# Altium PCB Archimajor.PcbDoc (part 1 of 13) (continued)
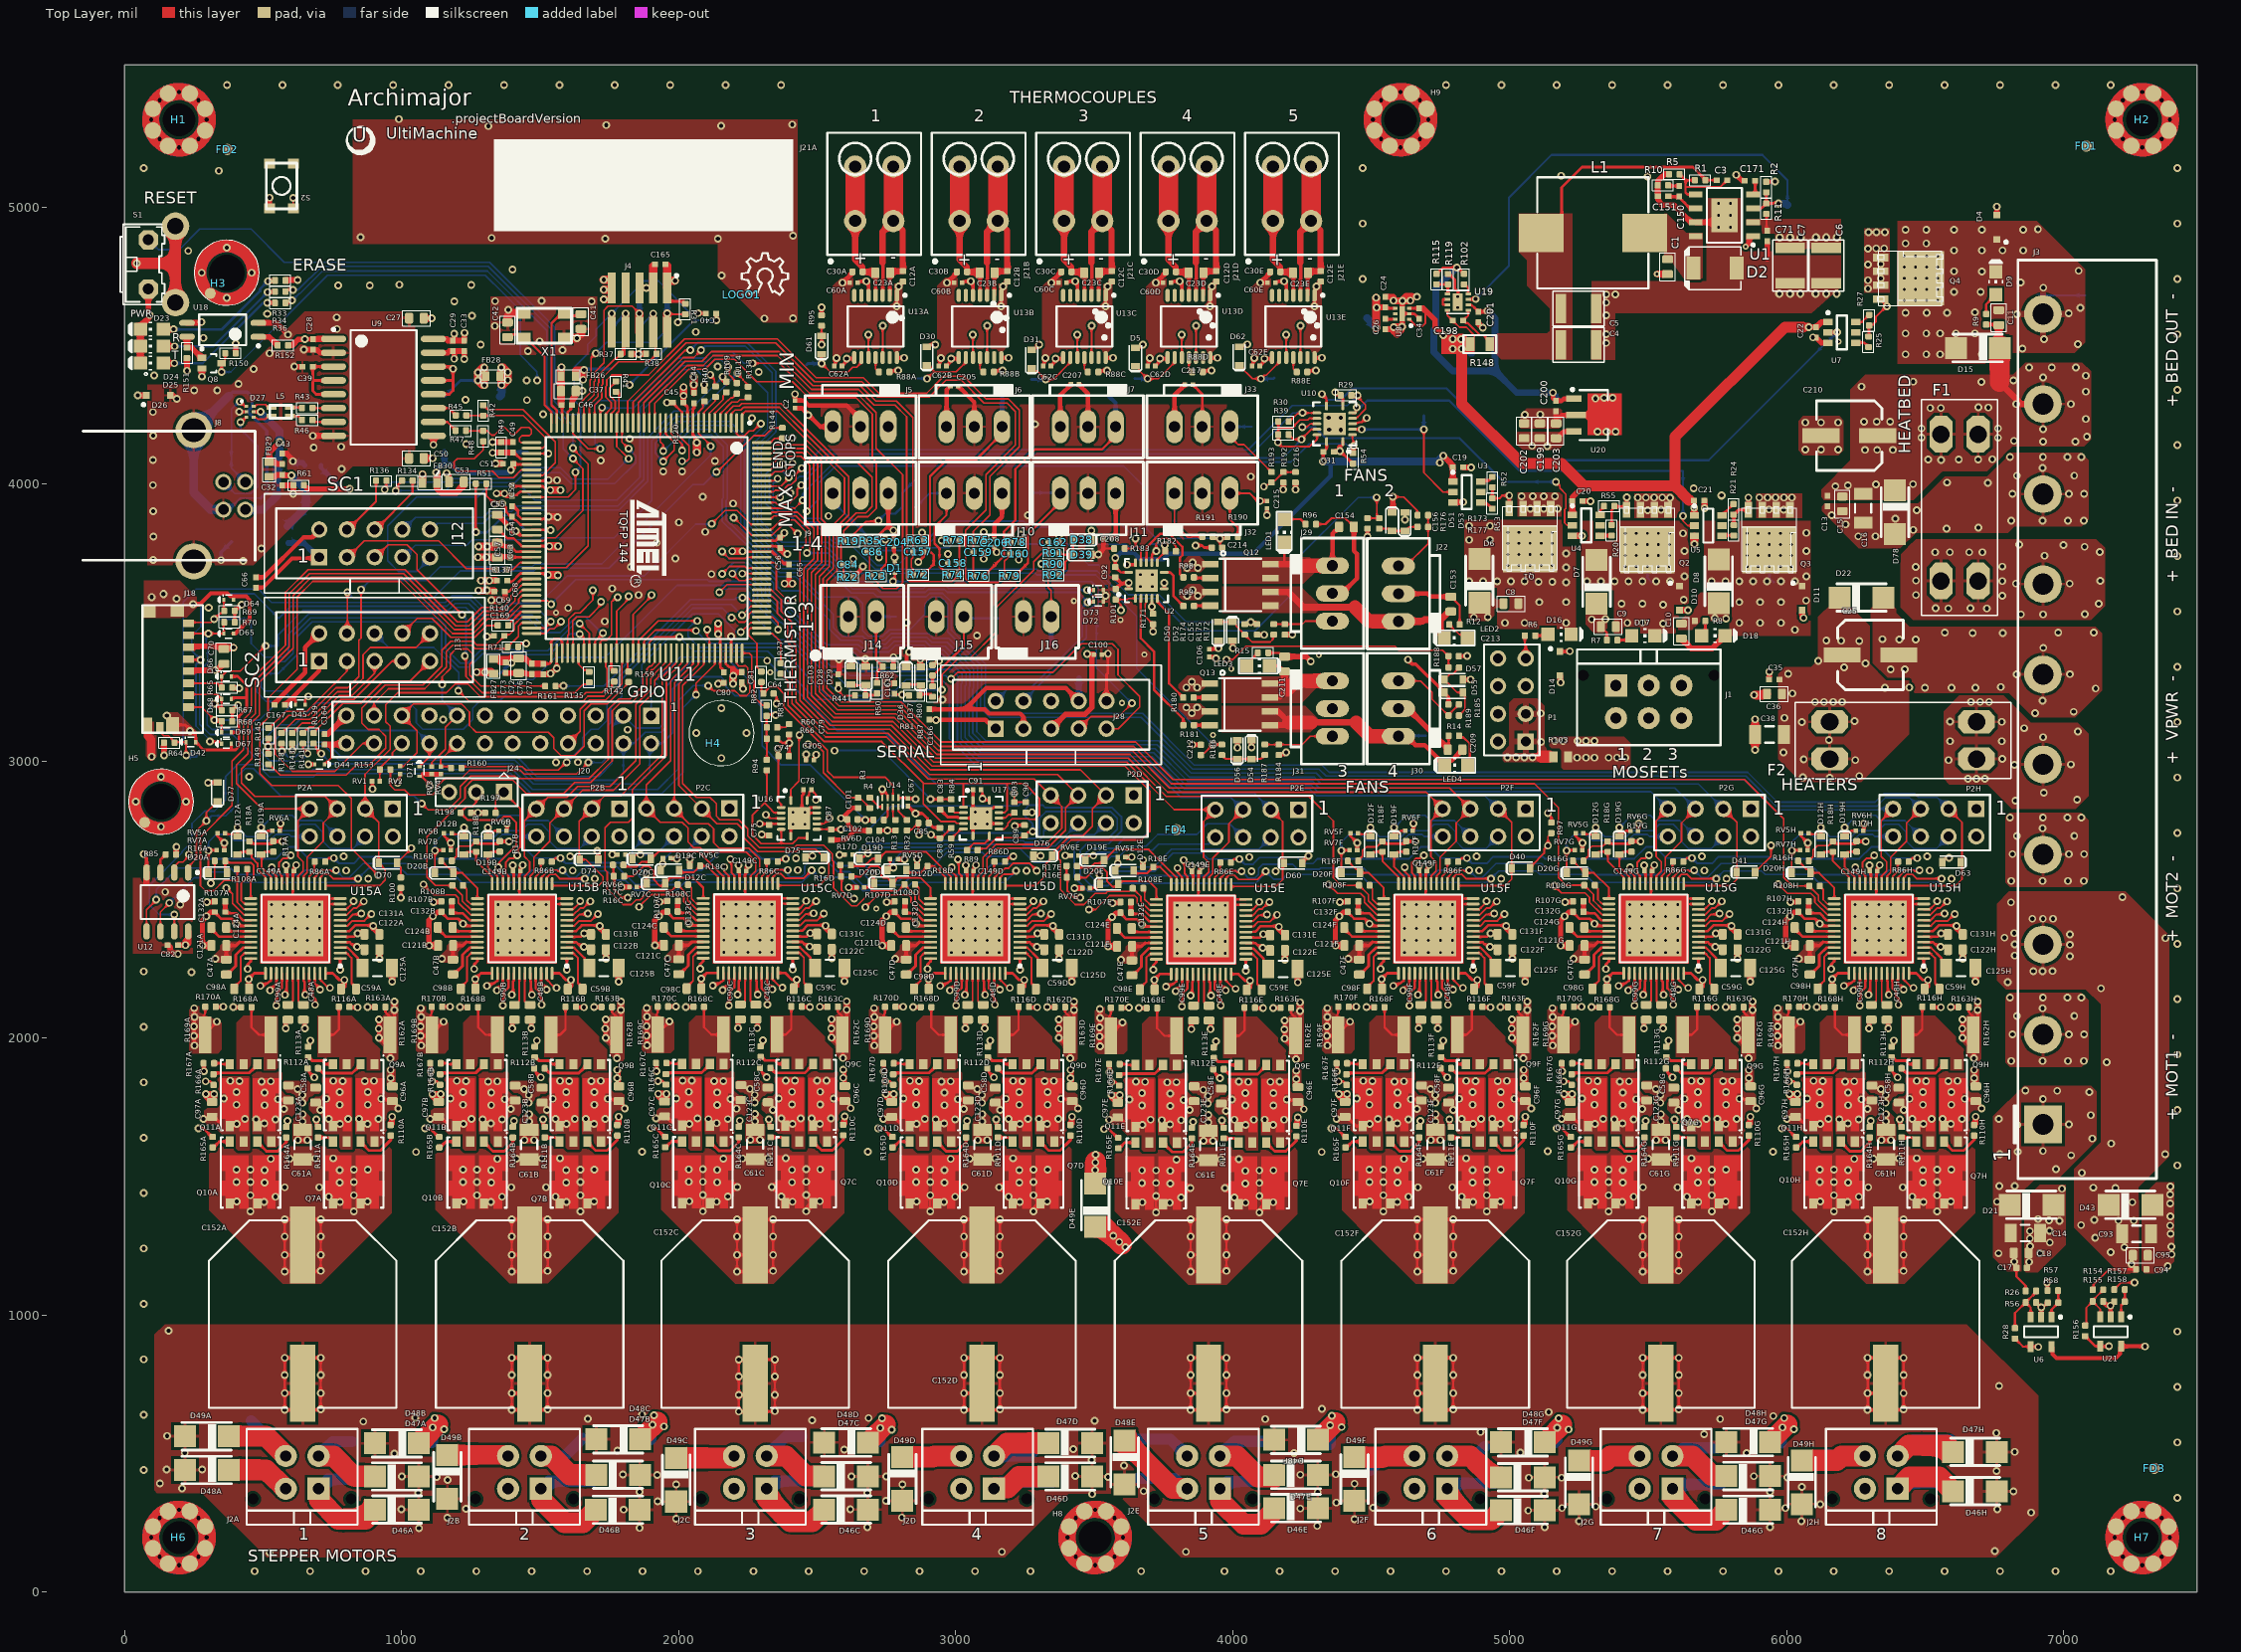
[diagram p0: Top Layer view]
## Classes and differential pairs
channel class Thermocouples: TA TB TC TD TE
component class TE: C12E C23E C30E C60E C62E J21E R88E TP11E TP23E TP24E U13E
component class TD: C12D C23D C30D C60D C62D J21D R88D TP11D TP23D TP24D U13D
component class TC: C12C C23C C30C C60C C62C J21C R88C TP11C TP23C TP24C U13C
component class TB: C12B C23B C30B C60B C62B J21B R88B TP11B TP23B TP24B U13B
component class TA: C12A C23A C30A C60A C62A J21A R88A TP11A TP23A TP24A U13A
channel class Motors: MA MB MC MD ME MF MG MH
component class MH: C47H C48H C58H C59H C61H C96H C97H C98H C99H C121H C122H C123H C124H C125H C131H C132H C149H C152H D12H D19H D20H D46H D47H D48H D49H J2H P2H Q7H Q9H Q10H Q11H R16H R17H R18H R86H R107H R108H R110H R111H R112H R113H R116H R162H R163H R164H R165H R166H R167H R168H R169H R170H RV5H RV6H RV7H TP3H TP12H TP34H TP41H U15H
component class MG: C47G C48G C58G C59G C61G C96G C97G C98G C99G C121G C122G C123G C124G C125G C131G C132G C149G C152G D12G D19G D20G D46G D47G D48G D49G J2G P2G Q7G Q9G Q10G Q11G R16G R17G R18G R86G R107G R108G R110G R111G R112G R113G R116G R162G R163G R164G R165G R166G R167G R168G R169G R170G RV5G RV6G RV7G TP3G TP12G TP34G TP41G U15G
component class MF: C47F C48F C58F C59F C61F C96F C97F C98F C99F C121F C122F C123F C124F C125F C131F C132F C149F C152F D12F D19F D20F D46F D47F D48F D49F J2F P2F Q7F Q9F Q10F Q11F R16F R17F R18F R86F R107F R108F R110F R111F R112F R113F R116F R162F R163F R164F R165F R166F R167F R168F R169F R170F RV5F RV6F RV7F TP3F TP12F TP34F TP41F U15F
component class ME: C47E C48E C58E C59E C61E C96E C97E C98E C99E C121E C122E C123E C124E C125E C131E C132E C149E C152E D12E D19E D20E D46E D47E D48E D49E J2E P2E Q7E Q9E Q10E Q11E R16E R17E R18E R86E R107E R108E R110E R111E R112E R113E R116E R162E R163E R164E R165E R166E R167E R168E R169E R170E RV5E RV6E RV7E TP3E TP12E TP34E TP41E U15E
component class MD: C47D C48D C58D C59D C61D C96D C97D C98D C99D C121D C122D C123D C124D C125D C131D C132D C149D C152D D12D D19D D20D D46D D47D D48D D49D J2D P2D Q7D Q9D Q10D Q11D R16D R17D R18D R86D R107D R108D R110D R111D R112D R113D R116D R162D R163D R164D R165D R166D R167D R168D R169D R170D RV5D RV6D RV7D TP3D TP12D TP34D TP41D U15D
component class MC: C47C C48C C58C C59C C61C C96C C97C C98C C99C C121C C122C C123C C124C C125C C131C C132C C149C C152C D12C D19C D20C D46C D47C D48C D49C J2C P2C Q7C Q9C Q10C Q11C R16C R17C R18C R86C R107C R108C R110C R111C R112C R113C R116C R162C R163C R164C R165C R166C R167C R168C R169C R170C RV5C RV6C RV7C TP3C TP12C TP34C TP41C U15C
component class MB: C47B C48B C58B C59B C61B C96B C97B C98B C99B C121B C122B C123B C124B C125B C131B C132B C149B C152B D12B D19B D20B D46B D47B D48B D49B J2B P2B Q7B Q9B Q10B Q11B R16B R17B R18B R86B R107B R108B R110B R111B R112B R113B R116B R162B R163B R164B R165B R166B R167B R168B R169B R170B RV5B RV6B RV7B TP3B TP12B TP34B TP41B U15B
component class MA: C47A C48A C58A C59A C61A C96A C97A C98A C99A C121A C122A C123A C124A C125A C131A C132A C149A C152A D12A D19A D20A D46A D47A D48A D49A J2A P2A Q7A Q9A Q10A Q11A R16A R17A R18A R86A R107A R108A R110A R111A R112A R113A R116A R162A R163A R164A R165A R166A R167A R168A R169A R170A RV5A RV6A RV7A TP3A TP12A TP34A TP41A U15A
net class "Can bus": PA0_CANTX0 PA1_CANRX0
net class PWR_INPUT: VBED VBED_IN VPWR VPWR_IN
net class SD: MCCDA MCCK MCDA0 MCDA1 MCDA2 MCDA3 SDCD
net class SPI: PA25_MISO PA26_MOSI PA27_SCLK PA29_CS SPIFLASH_CS

## Components (designator, comment, footprint, x,y, rotation, side; value= is the part's Value field where it differs from the comment)
C1 "100nF" C0603 5570.05,4784.37 r90 top
C2 "100nF" "C0201 Large Pads" 2420.12,4287.5 r270 top
C3 "10pF" C0402#1 5766.39,5096.38 r180 top
C4 "47uF" C1210 5249.18,4632.8 r180 top
C5 "47uF" C1210 5249.18,4501.89 r180 top
C6 "4.7uF" C1210 6142.88,4788.31 r90 top
C7 "4.7uF" C1210 6011.98,4788.31 r90 top
C8 "C0603TBD" C0603 5004.64,3568.09 r0 top
C9 "C0603TBD" C0603 5356.02,3484.62 r0 top
C10 "C0603TBD" C0603 5619.8,3468.87 r270 top
C11 "C0603TBD" C0603 6765.47,4600.32 r90 top
C12A "10nF" C0402#2 2809.99,4749.26 r270 top (schematic designator C12)
C12B "10nF" C0402#2 3186.99,4749.26 r270 top (schematic designator C12)
C12C "10nF" C0402#2 3563.98,4749.26 r270 top (schematic designator C12)
C12D "10nF" C0402#2 3940.98,4749.26 r270 top (schematic designator C12)
C12E "10nF" C0402#2 4317.98,4749.26 r270 top (schematic designator C12)
C13 "1nF" C0402#1 6147.18,3938.75 r270 top
C14 "10uF" C1206#1 6861.42,1295.65 r180 top
C15 "100nF" C0603 6201,3927.83 r270 top
C16 "10uF" C1206#2 6275.88,3912.23 r90 top
C17 "1nF" C0402#2 6848.16,1170.07 r0 top
C18 "100nF" C0603 6846.6,1223.89 r0 top
C19 "100nF" C0402#1 4813.79,4059.48 r180 top
C20 "100nF" C0402#1 5245.07,3937.75 r180 top
C21 "100nF" C0402#1 5684.92,3940.5 r180 top
C22 "100nF" C0402#1 6106.47,4547.17 r270 top
C23A "100nF" C0603 2736.81,4762.26 r0 top (schematic designator C23)
C23B "100nF" C0603 3113.8,4762.26 r0 top (schematic designator C23)
C23C "100nF" C0603 3490.8,4762.26 r0 top (schematic designator C23)
C23D "100nF" C0603 3867.8,4762.26 r0 top (schematic designator C23)
C23E "100nF" C0603 4244.8,4762.26 r0 top (schematic designator C23)
C24 "1uF" C0402#1 4551.87,4656.74 r90 top
C25 "UWT1V101MCL1GS" CAP-ELEC-063063077 6302.4,3382.61 r180 top value=100uF
C26 "100nF" C0402#1 4550.87,4577.74 r270 top
C27 "C0603TBD" C0603 1054,4598.53 r0 top
C28 "100nF" C0402#1 680,4503.53 r270 top
C29 "100nF" C0402#1 1186,4498.53 r270 top
C30A "10nF" C0402#2 2645.99,4765.26 r0 top (schematic designator C30)
C30B "10nF" C0402#2 3022.99,4765.26 r0 top (schematic designator C30)
C30C "10nF" C0402#2 3399.98,4765.26 r0 top (schematic designator C30)
C30D "10nF" C0402#2 3776.98,4765.26 r0 top (schematic designator C30)
C30E "10nF" C0402#2 4153.98,4765.26 r0 top (schematic designator C30)
C31 "100nF" C0402#1 4346.56,4116.79 r180 top
C32 "1uF" C0402#1 569.66,4013.39 r270 top
C33 "100nF" C0402#1 1227.36,4498.62 r270 top
C34 "1uF" C0402#1 4673.87,4615.74 r270 top
C35 "1nF" C0402#1 5955.94,3293.9 r180 top
C36 "100nF" C0603 5955.94,3241.78 r180 top
C37 "0603" C0603 1602.11,4335.08 r180 top value="10uF 6.3VDC"
C38 "10uF" C1206#2 5938.14,3095.57 r0 top
C39 "100nF" C0402#1 661,4423.53 r180 top
C40 "10nF" C0402#1 2116.66,4615.53 r0 top
C41 "3pF" C0603 1647.98,4585.99 r90 top
C42 "3pF" C0603 1382.87,4556.15 r270 top
C43 "10nF" C0402#1 569.6,4091.48 r270 top
C44 "100nF" C0402#1 2056,4310.01 r90 top
C45 "100nF" C0402#1 1998,4294.01 r180 top
C46 "100nF" C0402#1 1597,4285.53 r0 top
C47A "100nF" C0603 367.61,2255.92 r90 top (schematic designator C47)
C47B "100nF" C0603 1185.53,2255.92 r90 top (schematic designator C47)
C47C "100nF" C0603 2000.8,2256.88 r90 top (schematic designator C47)
C47D "100nF" C0603 2821.35,2255.92 r90 top (schematic designator C47)
C47E "100nF" C0603 3636.62,2252.94 r90 top (schematic designator C47)
C47F "100nF" C0603 4457.18,2255.92 r90 top (schematic designator C47)
C47G "100nF" C0603 5270.18,2255.92 r90 top (schematic designator C47)
C47H "100nF" C0603 6083.18,2255.92 r90 top (schematic designator C47)
C48A "220nF" C0603 646.16,2092.54 r270 top (schematic designator C48)
C48B "220nF" C0603 1464.07,2092.54 r270 top (schematic designator C48)
C48C "220nF" C0603 2279.34,2093.49 r270 top (schematic designator C48)
C48D "220nF" C0603 3099.9,2092.54 r270 top (schematic designator C48)
C48E "220nF" C0603 3915.17,2089.56 r270 top (schematic designator C48)
C48F "220nF" C0603 4735.72,2092.54 r270 top (schematic designator C48)
C48G "220nF" C0603 5548.72,2092.54 r270 top (schematic designator C48)
C48H "220nF" C0603 6361.72,2092.54 r270 top (schematic designator C48)
C49 "0402" C0402#1 1402,4131.53 r90 top value=10pF
C50 "C0603TBD" C0603 1054,4092.53 r0 top
C51 "100nF" C0402#1 1385,4073.53 r180 top
C52 "100nF" C0402#1 1399,3976.01 r270 top
C53 "0603" C0603 1197.94,4007.01 r0 top value="10uF 6.3VDC"
C54 "100nF" C0402#1 1399,3900.01 r90 top
C55 "0603" C0603 1346,3862.01 r270 top value=10uF
C56 "100nF" C0402#1 2367.08,3787.23 r90 top
C57 "0603" C0603 1346,3761.01 r90 top value="10uF 6.3VDC"
C58A "1nF" C0603 690,1793.53 r270 top (schematic designator C58)
C58B "1nF" C0603 1507.91,1793.53 r270 top (schematic designator C58)
C58C "1nF" C0603 2323.18,1794.49 r270 top (schematic designator C58)
C58D "1nF" C0603 3143.74,1793.53 r270 top (schematic designator C58)
C58E "1nF" C0603 3959.01,1790.55 r270 top (schematic designator C58)
C58F "1nF" C0603 4779.57,1793.53 r270 top (schematic designator C58)
C58G "1nF" C0603 5592.57,1793.53 r270 top (schematic designator C58)
C58H "1nF" C0603 6405.57,1793.53 r270 top (schematic designator C58)
C59A "220nF" C0603 809,2176.53 r180 top (schematic designator C59)
C59B "220nF" C0603 1626.91,2176.53 r180 top (schematic designator C59)
C59C "220nF" C0603 2442.18,2177.49 r180 top (schematic designator C59)
C59D "220nF" C0603 3262.74,2176.53 r180 top (schematic designator C59)
C59E "220nF" C0603 4078.01,2173.55 r180 top (schematic designator C59)
C59F "220nF" C0603 4898.57,2176.53 r180 top (schematic designator C59)
C59G "220nF" C0603 5711.57,2176.53 r180 top (schematic designator C59)
C59H "220nF" C0603 6524.57,2176.53 r180 top (schematic designator C59)
C60A "100nF" "C0201 Large Pads" 2632.22,4726.46 r0 top (schematic designator C60)
C60B "100nF" "C0201 Large Pads" 3009.21,4726.46 r0 top (schematic designator C60)
C60C "100nF" "C0201 Large Pads" 3386.21,4726.46 r0 top (schematic designator C60)
C60D "100nF" "C0201 Large Pads" 3763.21,4726.46 r0 top (schematic designator C60)
C60E "100nF" "C0201 Large Pads" 4140.21,4726.46 r0 top (schematic designator C60)
C61A "4.7uF" C1206#1 643,1614.53 r270 top (schematic designator C61)
C61B "4.7uF" C1206#1 1460.91,1614.53 r270 top (schematic designator C61)
C61C "4.7uF" C1206#1 2276.18,1615.49 r270 top (schematic designator C61)
C61D "4.7uF" C1206#1 3096.74,1614.53 r270 top (schematic designator C61)
C61E "4.7uF" C1206#1 3912.01,1611.55 r270 top (schematic designator C61)
C61F "4.7uF" C1206#1 4732.57,1614.53 r270 top (schematic designator C61)
C61G "4.7uF" C1206#1 5545.57,1614.53 r270 top (schematic designator C61)
C61H "4.7uF" C1206#1 6358.57,1614.53 r270 top (schematic designator C61)
C62A "100nF" "C0201 Large Pads" 2576.37,4425.57 r0 top (schematic designator C62)
C62B "100nF" "C0201 Large Pads" 2953.37,4425.57 r0 top (schematic designator C62)
C62C "100nF" "C0201 Large Pads" 3330.37,4425.57 r0 top (schematic designator C62)
C62D "100nF" "C0201 Large Pads" 3707.37,4425.57 r0 top (schematic designator C62)
C62E "100nF" "C0201 Large Pads" 4084.37,4425.57 r0 top (schematic designator C62)
C63 "100nF" C0402#1 1394,3754.01 r270 top
C64 "TBD" C0402#2 2324.52,3243.48 r180 top
C65 "100nF" C0402#1 2399.33,3690.33 r270 top
C66 "100nF" C0402#1 474,3644.53 r270 top
C67 "100nF" "C0201 Large Pads" 2828.46,2850.76 r90 top
C68 "100nF" C0402#1 1364,3651.01 r180 top
C69 "100nF" C0402#1 1355,3612.01 r180 top
C70 "0603" C0603 359,3377.01 r270 top value=10uF
C71 "10nF" C0402#1 5929.77,4895.59 r90 top
C72 "0603" C0603 1423,3344.01 r90 top value="10uF 6.3VDC"
C73 "100nF" C0402#1 1376.26,3336.86 r270 top
C74 "TBD" C0402#2 2379.64,3017.1 r0 top
C75 "TBD" C0402#2 2327.48,2749.39 r270 top
C76 "100nF" C0402#1 1471.32,3332.5 r270 top
C77 "10nF" C0402#1 1512.39,3332.44 r270 top
C78 "100nF" "C0201 Large Pads" 2465.27,2896.04 r0 top
C79 "TBD" C0402#2 2399.33,3114.54 r270 top
C80 "100nF" C0402#1 2164,3300.53 r270 top
C81 "100nF" C0402#1 2229,3302.01 r270 top
C82 "100nF" C0402#1 175.45,2335.27 r180 top
C83 "TBD" C0402#2 2944.6,2842.89 r270 top
C84 "10nF" C0402#1 2612.91,3707.72 r0 top
C85 "TBD" C0402#2 2884.56,2775.96 r180 top
C86 "10nF" C0402#1 2700.51,3755.29 r0 top
C87 "TBD" C0402#2 2550.9,2733.64 r270 top
C88 "TBD" C0402#2 2943.62,2739.54 r90 top
C89 "TBD" C0402#2 3248.74,2749.39 r90 top
C90 "TBD" C0402#2 3253.66,2832.06 r270 top
C91 "100nF" "C0201 Large Pads" 3077.48,2896.04 r0 top
C92 "100nF" C0402#2 3576.49,3681.47 r90 top
C93 "10uF" C1206#2 7263.12,1293.31 r180 top
C94 "1nF" C0402#2 7279.5,1164.61 r0 top
C95 "100nF" C0603 7276.38,1215.31 r0 top
C96A "1nF" C0603 967,1798.53 r270 top (schematic designator C96)
C96B "1nF" C0603 1784.91,1798.53 r270 top (schematic designator C96)
C96C "1nF" C0603 2600.18,1799.49 r270 top (schematic designator C96)
C96D "1nF" C0603 3420.74,1798.53 r270 top (schematic designator C96)
C96E "1nF" C0603 4236.01,1795.55 r270 top (schematic designator C96)
C96F "1nF" C0603 5056.57,1798.53 r270 top (schematic designator C96)
C96G "1nF" C0603 5869.57,1798.53 r270 top (schematic designator C96)
C96H "1nF" C0603 6682.57,1798.53 r270 top (schematic designator C96)
C97A "1nF" C0603 316.43,1742.28 r270 top (schematic designator C97)
C97B "1nF" C0603 1134.35,1742.28 r270 top (schematic designator C97)
C97C "1nF" C0603 1949.62,1743.24 r270 top (schematic designator C97)
C97D "1nF" C0603 2770.17,1742.28 r270 top (schematic designator C97)
C97E "1nF" C0603 3585.44,1739.31 r270 top (schematic designator C97)
C97F "1nF" C0603 4406,1742.28 r270 top (schematic designator C97)
C97G "1nF" C0603 5219,1742.28 r270 top (schematic designator C97)
C97H "1nF" C0603 6032,1742.28 r270 top (schematic designator C97)
C98A "220nF" C0603 422.73,2177.18 r0 top (schematic designator C98)
C98B "220nF" C0603 1240.65,2177.18 r0 top (schematic designator C98)
C98C "220nF" C0603 2055.92,2178.14 r0 top (schematic designator C98)
C98D "220nF" C0603 2876.47,2177.18 r0 top (schematic designator C98)
C98E "220nF" C0603 3691.74,2174.2 r0 top (schematic designator C98)
C98F "220nF" C0603 4512.3,2177.18 r0 top (schematic designator C98)
C98G "220nF" C0603 5325.3,2177.18 r0 top (schematic designator C98)
C98H "220nF" C0603 6138.3,2177.18 r0 top (schematic designator C98)
C99A "220nF" C0603 590.05,2092.54 r270 top (schematic designator C99)
C99B "220nF" C0603 1407.97,2092.54 r270 top (schematic designator C99)
C99C "220nF" C0603 2223.24,2093.49 r270 top (schematic designator C99)
C99D "220nF" C0603 3043.8,2092.54 r270 top (schematic designator C99)
C99E "220nF" C0603 3859.07,2089.56 r270 top (schematic designator C99)
C99F "220nF" C0603 4679.62,2092.54 r270 top (schematic designator C99)
C99G "220nF" C0603 5492.62,2092.54 r270 top (schematic designator C99)
C99H "220nF" C0603 6305.62,2092.54 r270 top (schematic designator C99)
C100 "100nF" "C0201 Large Pads" 3513.72,3384.23 r180 top
C101 "TBD" C0402#2 2648.34,2848.62 r90 top
C102 "TBD" C0402#2 2627.67,2788.76 r0 top
C103 "100nF" C0402#1 2576.52,3293.75 r90 top
C104 "TBD" C0402#2 2706.41,2748.4 r0 top
C105 "100nF" "C0201 Large Pads" 2474.13,3002.34 r0 top
C106 "100nF" "C0201 Large Pads" 3916.06,3389.15 r90 top
C121A "100nF" C0603 341.04,2333.68 r0 top (schematic designator C121)
C121B "100nF" C0603 1158.95,2333.68 r0 top (schematic designator C121)
C121C "100nF" C0603 1974.22,2334.64 r0 top (schematic designator C121)
C121D "100nF" C0603 2794.78,2333.68 r0 top (schematic designator C121)
C121E "100nF" C0603 3610.05,2330.7 r0 top (schematic designator C121)
C121F "100nF" C0603 4430.61,2333.68 r0 top (schematic designator C121)
C121G "100nF" C0603 5243.61,2333.68 r0 top (schematic designator C121)
C121H "100nF" C0603 6056.61,2333.68 r0 top (schematic designator C121)
C122A "100nF" C0603 893.2,2318.91 r180 top (schematic designator C122)
C122B "100nF" C0603 1711.12,2318.91 r180 top (schematic designator C122)
C122C "100nF" C0603 2526.39,2319.87 r180 top (schematic designator C122)
C122D "100nF" C0603 3346.94,2318.91 r180 top (schematic designator C122)
C122E "100nF" C0603 4162.22,2315.94 r180 top (schematic designator C122)
C122F "100nF" C0603 4982.77,2318.91 r180 top (schematic designator C122)
C122G "100nF" C0603 5795.77,2318.91 r180 top (schematic designator C122)
C122H "100nF" C0603 6608.77,2318.91 r180 top (schematic designator C122)
C123A "1nF" C0603 592,1801.53 r270 top (schematic designator C123)
C123B "1nF" C0603 1409.91,1801.53 r270 top (schematic designator C123)
C123C "1nF" C0603 2225.18,1802.49 r270 top (schematic designator C123)
C123D "1nF" C0603 3045.74,1801.53 r270 top (schematic designator C123)
C123E "1nF" C0603 3861.01,1798.55 r270 top (schematic designator C123)
C123F "1nF" C0603 4681.57,1801.53 r270 top (schematic designator C123)
C123G "1nF" C0603 5494.57,1801.53 r270 top (schematic designator C123)
C123H "1nF" C0603 6307.57,1801.53 r270 top (schematic designator C123)
C124A "22nF" C0603 340.05,2398.64 r0 top (schematic designator C124)
C124B "22nF" C0603 1157.97,2398.64 r0 top (schematic designator C124)
C124C "22nF" C0603 1973.24,2399.6 r0 top (schematic designator C124)
C124D "22nF" C0603 2793.79,2398.64 r0 top (schematic designator C124)
C124E "22nF" C0603 3609.07,2395.66 r0 top (schematic designator C124)
C124F "22nF" C0603 4429.62,2398.64 r0 top (schematic designator C124)
C124G "22nF" C0603 5242.62,2398.64 r0 top (schematic designator C124)
C124H "22nF" C0603 6055.62,2398.64 r0 top (schematic designator C124)
C125A "4.7uF" C1206#1 912.89,2251.98 r180 top (schematic designator C125)
C125B "4.7uF" C1206#1 1730.8,2251.98 r180 top (schematic designator C125)
C125C "4.7uF" C1206#1 2546.07,2252.94 r180 top (schematic designator C125)
C125D "4.7uF" C1206#1 3366.63,2251.98 r180 top (schematic designator C125)
C125E "4.7uF" C1206#1 4181.9,2249.01 r180 top (schematic designator C125)
C125F "4.7uF" C1206#1 5002.46,2251.98 r180 top (schematic designator C125)
C125G "4.7uF" C1206#1 5815.46,2251.98 r180 top (schematic designator C125)
C125H "4.7uF" C1206#1 6628.46,2251.98 r180 top (schematic designator C125)
C131A "4.7uF 6.3V 0603" C0603 893.2,2374.03 r180 top value=4.7uF (schematic designator C131)
C131B "4.7uF 6.3V 0603" C0603 1711.12,2374.03 r180 top value=4.7uF (schematic designator C131)
C131C "4.7uF 6.3V 0603" C0603 2526.39,2374.99 r180 top value=4.7uF (schematic designator C131)
C131D "4.7uF 6.3V 0603" C0603 3346.94,2374.03 r180 top value=4.7uF (schematic designator C131)
C131E "4.7uF 6.3V 0603" C0603 4162.22,2371.05 r180 top value=4.7uF (schematic designator C131)
C131F "4.7uF 6.3V 0603" C0603 4982.77,2374.03 r180 top value=4.7uF (schematic designator C131)
C131G "4.7uF 6.3V 0603" C0603 5795.77,2374.03 r180 top value=4.7uF (schematic designator C131)
C131H "4.7uF 6.3V 0603" C0603 6608.77,2374.03 r180 top value=4.7uF (schematic designator C131)
C132A "0402" C0402#1 345,2454.53 r0 top value=470nF (schematic designator C132)
C132B "0402" C0402#2 1162.77,2455.51 r0 top value=470nF (schematic designator C132)
C132C "0402" C0402#2 1978.04,2456.47 r0 top value=470nF (schematic designator C132)
C132D "0402" C0402#2 2798.6,2455.51 r0 top value=470nF (schematic designator C132)
C132E "0402" C0402#2 3613.87,2452.53 r0 top value=470nF (schematic designator C132)
C132F "0402" C0402#2 4434.42,2455.51 r0 top value=470nF (schematic designator C132)
C132G "0402" C0402#2 5247.42,2455.51 r0 top value=470nF (schematic designator C132)
C132H "0402" C0402#2 6060.42,2455.51 r0 top value=470nF (schematic designator C132)
C149A "100nF" "C0201 Large Pads" 597.93,2602.38 r180 top (schematic designator C149)
C149B "100nF" "C0201 Large Pads" 1415.84,2602.38 r180 top (schematic designator C149)
C149C "100nF" "C0201 Large Pads" 2231.11,2603.34 r180 top (schematic designator C149)
C149D "100nF" "C0201 Large Pads" 3051.67,2602.38 r180 top (schematic designator C149)
C149E "100nF" "C0201 Large Pads" 3866.94,2599.4 r180 top (schematic designator C149)
C149F "100nF" "C0201 Large Pads" 4687.5,2602.38 r180 top (schematic designator C149)
C149G "100nF" "C0201 Large Pads" 5500.5,2602.38 r180 top (schematic designator C149)
C149H "100nF" "C0201 Large Pads" 6313.5,2602.38 r180 top (schematic designator C149)
C150 "2.2nF" C0402#1 5612.35,5056.71 r270 top
C151 "22pF" C0402#1 5553.79,5038.31 r0 top
C152A "470uF" CAP16x17 643.5,1003.03 r270 top (schematic designator C152)
C152B "470uF" CAP16x17 1462.81,1003.03 r270 top (schematic designator C152)
C152C "470uF" CAP16x17 2276.51,1003.03 r270 top (schematic designator C152)
C152D "470uF" CAP16x17 3095.35,1003.03 r270 top (schematic designator C152)
C152E "470uF" CAP16x17 3913.02,1003.03 r270 top (schematic designator C152)
C152F "470uF" CAP16x17 4731.48,1003.03 r270 top (schematic designator C152)
C152G "470uF" CAP16x17 5545.64,1003.03 r270 top (schematic designator C152)
C152H "470uF" CAP16x17 6357.16,1003.03 r270 top (schematic designator C152)
C153 "C0603TBD" C0603 4788.11,3566.31 r270 top
C154 "C0603TBD" C0603 4411.14,3844.86 r180 top
C155 "100nF" C0402#2 4088.3,3474.78 r270 top
C156 "100nF" C0402#2 4486.92,3857.65 r270 top
C157 "10nF" C0402#1 2864.71,3755.07 r0 top
C158 "10nF" C0402#1 2991.14,3713.02 r180 top
C159 "10nF" C0402#1 3082.78,3753.42 r0 top
C160 "10nF" C0402#1 3216.4,3748.27 r0 top
C161 "100nF" C0402#1 2779.52,3261.01 r90 top
C162 "100nF" C0402#1 3353.62,3788.63 r0 top
C164 "100nF" C0402#1 722,3078.53 r90 top
C165 "100nF" C0402#1 1934.04,4792.97 r0 top
C166 "100nF" C0402#1 2905.26,3167.73 r270 top
C167 "100nF" C0402#1 560.05,3202.01 r0 top
C169 "100nF" C0402#1 1353,3451.09 r180 top
C171 "10nF" C0402#1 5866.78,5094.41 r0 top
C198 "C0402TBD" C0402#1 4812.95,4589.51 r0 top
C199 "100nF" C0603 5109.12,4191.5 r90 top
C200 "100nF" C0402#1 5166.3,4281.43 r90 top
C201 "100nF" C0402#1 4886.95,4602.51 r90 top
C202 "100nF" C0603 5052.12,4191.5 r90 top
C203 "100nF" C0603 5167.3,4191.43 r90 top
C204 "100nF" "C0201 Large Pads" 2777.83,3788.63 r90 top
C205 "100nF" "C0201 Large Pads" 2995.08,4353.59 r180 top
C206 "100nF" "C0201 Large Pads" 3140.04,3786.66 r90 top
C207 "100nF" "C0201 Large Pads" 3431.1,4359.5 r180 top
C208 "100nF" "C0201 Large Pads" 3548.23,3803.54 r0 top
C209 "C0603TBD" C0603 4802.87,3040.72 r0 top
C210 "UWT1V101MCL1GS" CAP-ELEC-063063077 6225.96,4174.31 r0 top value=100uF
C211 "C0603TBD" C0603 4187.71,3349.78 r270 top
C212 "100nF" C0402#2 3885.55,3039.74 r90 top
C213 "100nF" C0402#2 4797.95,3378.32 r0 top
C214 "10nF" C0402#2 3943.62,3770.05 r180 top
C215 "100nF" "C0201 Large Pads" 4123.73,3924.88 r90 top
C216 "10nF" C0402#2 4227.08,4023.99 r270 top
C217 "100nF" "C0201 Large Pads" 3842.24,4358.64 r180 top
D1 "ESD9X3.3ST5G" SOD923-100X40-2N 2780.79,3696.11 r90 top value=3.3V
D2 "SK54B-LTP" SMB_DO-214AA_LRG 5741.35,4778.71 r0 top
D4 "RSB39VTE-17" SOD323-R 6758.58,4926.11 r90 top value=30V
D5 "BAT54" SOD523_IPC 3649.21,4458.05 r90 top
D6 "SK310A-TP" SMA-SM#1 4891.12,3650.5 r90 top value=-NA-
D7 "SK310A-TP" SMA-SM#1 5314.12,3646.5 r90 top value=-NA-
D8 "SK310A-TP" SMA-SM#1 5755.11,3648.5 r90 top value=-NA-
D9 "Red" LED2012120 6754.64,4724.34 r90 top
D10 "RSB39VTE-17" SOD323-R 5613.12,3588.5 r270 top value=30V
D11 "RSB39VTE-17" SOD323-R 6056.11,3588.5 r270 top value=30V
D12A "BAT54" SOD523_IPC 407.97,2694.9 r270 top (schematic designator D12)
D12B "BAT54" SOD523_IPC 1225.88,2694.9 r270 top (schematic designator D12)
D12C "BAT54" SOD523_IPC 1968.42,2605.35 r0 top (schematic designator D12)
D12D "BAT54" SOD523_IPC 2788.31,2606.34 r0 top (schematic designator D12)
D12E "BAT54" SOD523_IPC 3609.17,2604.37 r0 top (schematic designator D12)
D12F "BAT54" SOD523_IPC 4497.54,2694.9 r270 top (schematic designator D12)
D12G "BAT54" SOD523_IPC 5310.54,2694.9 r270 top (schematic designator D12)
D12H "BAT54" SOD523_IPC 6123.54,2694.9 r270 top (schematic designator D12)
D14 "RSB39VTE-17" SOD323-R 5180.84,3351.75 r270 top value=30V
D15 "SK310A-TP" SMA-SM#1 6689.68,4491.07 r180 top value=-NA-
D16 "Red" LED2012120 5179.84,3457.06 r0 top
D17 "Red" LED2012120 5482.28,3452.17 r0 top
D18 "Red" LED2012120 5734.96,3452.17 r0 top
D19A "BAT54" SOD523_IPC 493.6,2694.9 r270 top (schematic designator D19)
D19B "BAT54" SOD523_IPC 1311.51,2694.9 r270 top (schematic designator D19)
D19C "BAT54" SOD523_IPC 1866.85,2646.43 r0 top (schematic designator D19)
D19D "BAT54" SOD523_IPC 2687.4,2647.44 r0 top (schematic designator D19)
D19E "BAT54" SOD523_IPC 3502.67,2642.5 r0 top (schematic designator D19)
D19F "BAT54" SOD523_IPC 4583.16,2694.9 r270 top (schematic designator D19)
D19G "BAT54" SOD523_IPC 5396.16,2694.9 r270 top (schematic designator D19)
D19H "BAT54" SOD523_IPC 6209.16,2694.9 r270 top (schematic designator D19)
D20A "BAT54" SOD523_IPC 336.4,2595.88 r0 top (schematic designator D20)
D20B "BAT54" SOD523_IPC 1154.31,2595.88 r0 top (schematic designator D20)
D20C "BAT54" SOD523_IPC 1918.62,2558.44 r0 top (schematic designator D20)
D20D "BAT54" SOD523_IPC 2739.09,2559.09 r0 top (schematic designator D20)
D20E "BAT54" SOD523_IPC 3554.05,2556.14 r0 top (schematic designator D20)
D20F "BAT54" SOD523_IPC 4425.97,2595.88 r0 top (schematic designator D20)
D20G "BAT54" SOD523_IPC 5238.97,2595.88 r0 top (schematic designator D20)
D20H "BAT54" SOD523_IPC 6051.97,2595.88 r0 top (schematic designator D20)
D21 "SMAJ24A" SMA-SM#2 6883.26,1397.05 r0 top
D22 "SMAJ24A" SMA-SM#2 6269.69,3589.57 r0 top
D23 "GRN" LED2012120 99.67,4558.29 r180 top
D24 "Red" LED2012120 99.67,4497.29 r180 top
D25 "YEL" LED2012120 99.67,4436.29 r180 top
D26 "RSB39VTE-17" SOD323-R 122,4319.53 r0 top value=30V
D27 "PRTR5V0U2F" SOT886 453,4260.34 r270 top value=5.5V
D28 "BAT54" SOD523_IPC 2622.52,3308.75 r270 top
D29 "BAT54" SOD523_IPC 2676.52,3307.75 r90 top
D30 "BAT54" SOD523_IPC 2896.25,4461 r90 top
D31 "BAT54" SOD523_IPC 3275.19,4450.17 r90 top
D36 "BAT54" SOD523_IPC 2821.52,3306.01 r270 top
D37 "BAT54" SOD523_IPC 2874.52,3306.01 r90 top
D38 "BAT54" SOD523_IPC 3456.97,3797.49 r180 top
D39 "BAT54" SOD523_IPC 3455.98,3744.34 r0 top
D40 "BAT54" SOD523_IPC 5040.66,2612.42 r0 top
D41 "BAT54" SOD523_IPC 5852.6,2598.61 r0 top
D42 "ESD9X3.3ST5G" SOD923-100X40-2N 239.79,3068.06 r0 top value=3.3V
D43 "SMAJ24A" SMA-SM#2 7240.5,1397.05 r0 top
D44 "ESD9X3.3ST5G" SOD923-D 704.61,2987.65 r180 top value=3.3V
D45 "DF2S6.8FS,L3M" SOD923-D 634.72,3203.2 r0 top value=5V
D46A "SMAJ24A" SMA-SM#2 983.58,297.18 r0 top (schematic designator D46)
D46B "SMAJ24A" SMA-SM#2 1780.74,296.4 r0 top (schematic designator D46)
D46C "SMAJ24A" SMA-SM#2 2604.94,297.43 r0 top (schematic designator D46)
D46D "SMAJ24A" SMA-SM#2 3414.06,416.51 r0 top (schematic designator D46)
D46E "SMAJ24A" SMA-SM#2 4228.38,302.34 r0 top (schematic designator D46)
D46F "SMAJ24A" SMA-SM#2 5047.38,294.83 r0 top (schematic designator D46)
D46G "SMAJ24A" SMA-SM#2 5860.92,296.39 r0 top (schematic designator D46)
D46H "SMAJ24A" SMA-SM#2 6679.92,363.47 r0 top (schematic designator D46)
D47A "SMAJ24A" SMA-SM#2 983.58,416.52 r0 top (schematic designator D47)
D47B "SMAJ24A" SMA-SM#2 1781.52,422.76 r0 top (schematic designator D47)
D47C "SMAJ24A" SMA-SM#2 2604.94,417.3 r0 top (schematic designator D47)
D47D "SMAJ24A" SMA-SM#2 3414.06,537.41 r0 top (schematic designator D47)
D47E "SMAJ24A" SMA-SM#2 4228.38,422.45 r0 top (schematic designator D47)
D47F "SMAJ24A" SMA-SM#2 5047.38,414.17 r0 top (schematic designator D47)
D47G "SMAJ24A" SMA-SM#2 5860.92,418.07 r0 top (schematic designator D47)
D47H "SMAJ24A" SMA-SM#2 6679.92,505.43 r0 top (schematic designator D47)
D48A "SMAJ24A" SMA-SM#2 297.18,440.69 r180 top (schematic designator D48)
D48B "SMAJ24A" SMA-SM#2 983.58,536.64 r180 top (schematic designator D48)
D48C "SMAJ24A" SMA-SM#2 1782.3,551.21 r180 top (schematic designator D48)
D48D "SMAJ24A" SMA-SM#2 2605.2,539.76 r180 top (schematic designator D48)
D48E "SMAJ24A" SMA-SM#2 3609.84,468 r270 top (schematic designator D48)
D48F "SMAJ24A" SMA-SM#2 4228.64,549.11 r180 top (schematic designator D48)
D48G "SMAJ24A" SMA-SM#2 5047.64,540.53 r180 top (schematic designator D48)
D48H "SMAJ24A" SMA-SM#2 5861.18,541.31 r180 top (schematic designator D48)
D49A "SMAJ24A" SMA-SM#2 297.18,562.37 r180 top (schematic designator D49)
D49B "SMAJ24A" SMA-SM#2 1165.32,415.74 r270 top (schematic designator D49)
D49C "SMAJ24A" SMA-SM#2 1991.34,405.35 r270 top (schematic designator D49)
D49D "SMAJ24A" SMA-SM#2 2808,408.47 r270 top (schematic designator D49)
D49E "SMAJ24A" SMA-SM#2 3504.54,1396.2 r90 top (schematic designator D49)
D49F "SMAJ24A" SMA-SM#2 4439.76,407.93 r270 top (schematic designator D49)
D49G "SMAJ24A" SMA-SM#2 5250.18,395.46 r270 top (schematic designator D49)
D49H "SMAJ24A" SMA-SM#2 6054.36,396.24 r270 top (schematic designator D49)
D50 "BAT54" SOD523_IPC 3948.54,3467.89 r90 top
D51 "BAT54" SOD523_IPC 4575.51,3863.56 r270 top
D52 "BAT54" SOD523_IPC 3999.72,3467.89 r270 top
D53 "BAT54" SOD523_IPC 4621.77,3863.56 r90 top
D54 "BAT54" SOD523_IPC 4068.14,3040.72 r270 top
D55 "BAT54" SOD523_IPC 4797.95,3247.42 r0 top
D56 "BAT54" SOD523_IPC 4016.86,3040.72 r90 top
D57 "BAT54" SOD523_IPC 4797.95,3293.68 r0 top
D60 "BAT54" SOD523_IPC 4218.12,2631.04 r0 top
D61 "BAT54" SOD523_IPC 2516.33,4501.35 r90 top
D62 "BAT54" SOD523_IPC 4024.21,4461 r90 top
D63 "BAT54" SOD523_IPC 6595.19,2634.25 r180 top
D64 "ESD9X3.3ST5G" SOD923-100X40-2N 376,3582.01 r0 top value=3.3V
D65 "ESD9X3.3ST5G" SOD923-100X40-2N 376,3459.94 r0 top value=3.3V
D66 "ESD9X3.3ST5G" SOD923-100X40-2N 368,3305.01 r0 top value=3.3V
D67 "ESD9X3.3ST5G" SOD923-100X40-2N 368,3062.3 r0 top value=3.3V
D68 "ESD9X3.3ST5G" SOD923-100X40-2N 368,3224.01 r0 top value=3.3V
D69 "ESD9X3.3ST5G" SOD923-100X40-2N 368,3103.01 r0 top value=3.3V
D70 "BAT54" SOD523_IPC 950.77,2632.32 r0 top
D71 "ESD9X3.3ST5G" SOD923-100X40-2N 1064.96,2962.01 r270 top value=3.3V
D72 "ESD9X3.3ST5G" SOD923-100X40-2N 3516.02,3575.43 r0 top value=3.3V
D73 "ESD9X3.3ST5G" SOD923-100X40-2N 3516.02,3616.77 r0 top value=3.3V
D74 "BAT54" SOD523_IPC 1677,2643.88 r0 top
D75 "BAT54" SOD523_IPC 2491.82,2650.94 r180 top
D76 "BAT54" SOD523_IPC 3314.68,2657.85 r180 top
D77 "BAT54" SOD523_IPC 336.33,2888.16 r90 top
D78 "SMAJ24A" SMA-SM#2 6390.54,3898.19 r270 top
F1 "3557-2" 3557 6624,3914.53 r90 top value=-NA-
F2 "3557-2" 3557 6420.19,3074.22 r180 top value=-NA-
FB26 "120R" FB0603 1602,4388.53 r0 top value=120Rfb
FB27 "120R" FB0603 1332.95,3341.78 r90 top value=120Rfb
FB28 "120R" FB0603 1329.87,4388.46 r180 top value=120Rfb
FB29 "120R" FB0603 523.46,4051.94 r90 top value=120Rfb
FB30 "120R" FB0603 1102.24,4003.6 r0 top value=120Rfb
FD1 "FIDUCIAL" FIDUCIAL-1X2 7081.12,5219.5 r270 top
FD2 "FIDUCIAL" FIDUCIAL-1X2 371.12,5207.5 r90 top
FD3 "FIDUCIAL" FIDUCIAL-1X2 7327.32,446.16 r0 top
FD4 "FIDUCIAL" FIDUCIAL-1X2 3796.26,2751.97 r180 top
FD5 "FIDUCIAL" FIDUCIAL-1X2 372.84,5206.5 r180 bottom
FD6 "FIDUCIAL" FIDUCIAL-1X2 7081.62,5219.76 r180 bottom
FD7 "FIDUCIAL" FIDUCIAL-1X2 7328.1,445.38 r180 bottom
H1 "Hole_DS" Wave_hole_3x7-doubleSided 196.85,5314.96 r0 top
H2 "Hole_DS" Wave_hole_3x7-doubleSided 7283.46,5314.96 r0 top
H3 "Standoff" STANDOFF3MMTOPCONN#1 369,4762.53 r0 top
H4 "Standoff" STANDOFF3MMTOPCONN#2 2155,3100.53 r0 top
H5 "Standoff" Standoff3mmTopConn 131.89,2852.76 r0 top
H6 "Hole_DS" Wave_hole_3x7-doubleSided 196.85,196.85 r0 top
H7 "Hole_DS" Wave_hole_3x7-doubleSided 7283.46,196.85 r0 top
H8 "Hole_DS" Wave_hole_3x7-doubleSided 3503.94,196.85 r180 top
H9 "Hole_DS" Wave_hole_3x7-doubleSided 4606.3,5314.96 r180 top
J1 "0430450612" 43045-0612 5502,3213.53 r0 top
J2A "43045-0412" 43045-0412 641.38,431.88 r180 top (schematic designator J2)
J2B "43045-0412" 43045-0412 1443.91,431.88 r180 top (schematic designator J2)
J2C "43045-0412" 43045-0412 2259.18,431.88 r180 top (schematic designator J2)
J2D "43045-0412" 43045-0412 3079.74,431.88 r180 top (schematic designator J2)
J2E "43045-0412" 43045-0412 3895.01,431.88 r180 top (schematic designator J2)
J2F "43045-0412" 43045-0412 4715.57,431.88 r180 top (schematic designator J2)
J2G "43045-0412" 43045-0412 5528.57,431.88 r180 top (schematic designator J2)
J2H "43045-0412" 43045-0412 6341.57,431.88 r180 top (schematic designator J2)
J3 "4DB-P108-10" CON-Barrier-10-8.26mm 7085,2500.03 r90 top
J4 "0.05in 2-Row" FTSH-105-XX-X-DV 1859,4627.9 r0 top value=HDR10
J5 "Molex 70543-03" "70543-02 PIN-IN-PASTE" 2657,4206.53 r180 top locked value=HDR3
J6 "Molex 70543-03" "70543-02 PIN-IN-PASTE" 3067.5,4206.53 r180 top locked value=HDR3
J7 "Molex 70543-03" "70543-02 PIN-IN-PASTE" 3478,4206.53 r180 top locked value=HDR3
J8 "USB-B" PN61729 250,3957.53 r270 top value="USB B"
J9 "Molex 70543-03" "70543-02 PIN-IN-PASTE" 2657,3966.53 r0 top locked value=HDR3
J10 "Molex 70543-03" "70543-02 PIN-IN-PASTE" 3067.5,3966.53 r0 top locked value=HDR3
J11 "Molex 70543-03" "70543-02 PIN-IN-PASTE" 3478,3966.53 r0 top locked value=HDR3
J12 "HDR10" "HDR2X5 IDC" 903,3785.46 r0 top
J13 "HDR10" "HDR2X5 IDC" 903,3410.53 r0 top
J14 "CONN 2PIN VERT 0.1\" SHRD LOCKING PIP" "70543-01 PIN-IN-PASTE" 2663,3520.53 r0 top value=HDR2
J15 "CONN 2PIN VERT 0.1\" SHRD LOCKING PIP" "70543-01 PIN-IN-PASTE" 2980,3520.53 r0 top value=HDR2
J16 "CONN 2PIN VERT 0.1\" SHRD LOCKING PIP" "70543-01 PIN-IN-PASTE" 3295,3520.53 r0 top value=HDR2
J18 "0475710001" "SD_MICRO 475710001" 174.22,3345.53 r270 top value="SD Conn"
J20 "Header 12X2" HDR2X12 1901,3163.53 r180 top value=HDR24
J21A "1864286" 1864286 2706.5,5047.54 r0 top (schematic designator J21)
J21B "1864286" 1864286 3083.5,5047.54 r0 top (schematic designator J21)
J21C "1864286" 1864286 3460.5,5047.54 r0 top (schematic designator J21)
J21D "1864286" 1864286 3837.5,5047.54 r0 top (schematic designator J21)
J21E "1864286" 1864286 4214.5,5047.54 r0 top (schematic designator J21)
J22 "Molex 70543-03" "70543-02 PIN-IN-PASTE" 4598.42,3603.74 r90 top locked value=HDR3
J24 "Header 3x1" HDR3X1 1269.68,2887.4 r180 top value=JMP
J28 "HDR10" "HDR2X5 IDC" 3344.76,3166.39 r0 top
J29 "Molex 70543-03" "70543-02 PIN-IN-PASTE" 4360.24,3604.72 r270 top locked value=HDR3
J30 "Molex 70543-03" "70543-02 PIN-IN-PASTE" 4598.42,3188.98 r90 top locked value=HDR3
J31 "Molex 70543-03" "70543-02 PIN-IN-PASTE" 4360.24,3188.98 r270 top locked value=HDR3
J32 "Molex 70543-03" "70543-02 PIN-IN-PASTE" 3890.35,3966.53 r0 top locked value=HDR3
J33 "Molex 70543-03" "70543-02 PIN-IN-PASTE" 3890.35,4206.53 r180 top locked value=HDR3
JP1 "SJ" SJ#1 575.79,3818.16 r90 bottom
JP2 "SJ" SJ#2 680.12,4068.16 r180 bottom
L1 "4.7uH" IND_10X10 5300.36,4906.42 r180 top
L5 "DLW21HN900SQ2L" DLW21HN900SQ2L 564,4260.34 r180 top value=90R
LED1 "RED" LED2012120 4186.73,3831.08 r270 top
LED2 "RED" LED2012120 4806.07,3444.33 r180 top
LED3 "RED" LED2012120 4091.25,3342.89 r0 top
LED4 "RED" LED2012120 4807.79,2984.62 r180 top
LOGO1 "OSHW LOGO 8x150" OSHW_8X150_NOTEXT 2228.46,4683.65 r0 top
P1 "Header 4X2" HDR2X4 5058.07,3070.08 r90 top value=HDR8
P2A "Header 4X2" HDR2X4 968.7,2827.17 r180 top (schematic designator P2)
P2B "Header 4X2" HDR2X4 1786.61,2827.17 r180 top (schematic designator P2)
P2C "Header 4X2" HDR2X4 2183.97,2828.12 r180 top (schematic designator P2)
P2D "Header 4X2" HDR2X4 3643.03,2875.96 r180 top (schematic designator P2)
P2E "Header 4X2" HDR2X4 4237.71,2824.19 r180 top (schematic designator P2)
P2F "Header 4X2" HDR2X4 5058.27,2827.17 r180 top (schematic designator P2)
P2G "Header 4X2" HDR2X4 5871.27,2827.17 r180 top (schematic designator P2)
P2H "Header 4X2" HDR2X4 6684.27,2827.17 r180 top (schematic designator P2)
Q1 "CSD18503Q5A" SOT669_Universal 5073.62,3810.47 r180 top value=N-FET
Q2 "CSD18503Q5A" SOT669_Universal 5497.12,3806.47 r180 top value=N-FET
Q3 "CSD18503Q5A" SOT669_Universal 5937.11,3806.48 r180 top value=N-FET
Q4 "CSD18503Q5A" SOT669_Universal 6440.02,4742.47 r270 top value=N-FET
Q7A "NVMFD5C478NT1G" "SO8FL-Dual (DFN8 5x6, 1.26P Dual Flag)" 827.5,1514.19 r180 top (schematic designator Q7)
Q7B "NVMFD5C478NT1G" "SO8FL-Dual (DFN8 5x6, 1.26P Dual Flag)" 1645.42,1514.19 r180 top (schematic designator Q7)
Q7C "NVMFD5C478NT1G" "SO8FL-Dual (DFN8 5x6, 1.26P Dual Flag)" 2460.69,1515.15 r180 top (schematic designator Q7)
Q7D "NVMFD5C478NT1G" "SO8FL-Dual (DFN8 5x6, 1.26P Dual Flag)" 3281.24,1514.19 r180 top (schematic designator Q7)
Q7E "NVMFD5C478NT1G" "SO8FL-Dual (DFN8 5x6, 1.26P Dual Flag)" 4096.51,1511.21 r180 top (schematic designator Q7)
Q7F "NVMFD5C478NT1G" "SO8FL-Dual (DFN8 5x6, 1.26P Dual Flag)" 4917.07,1514.19 r180 top (schematic designator Q7)
Q7G "NVMFD5C478NT1G" "SO8FL-Dual (DFN8 5x6, 1.26P Dual Flag)" 5730.07,1514.19 r180 top (schematic designator Q7)
Q7H "NVMFD5C478NT1G" "SO8FL-Dual (DFN8 5x6, 1.26P Dual Flag)" 6543.07,1514.19 r180 top (schematic designator Q7)
Q8 "MMBT3904" "SOT523 SMALL" 315.04,4435.58 r0 top value=NPN
Q9A "NVMFD5C478NT1G" "SO8FL-Dual (DFN8 5x6, 1.26P Dual Flag)" 827.5,1793.72 r180 top (schematic designator Q9)
Q9B "NVMFD5C478NT1G" "SO8FL-Dual (DFN8 5x6, 1.26P Dual Flag)" 1645.42,1793.72 r180 top (schematic designator Q9)
Q9C "NVMFD5C478NT1G" "SO8FL-Dual (DFN8 5x6, 1.26P Dual Flag)" 2460.69,1794.68 r180 top (schematic designator Q9)
Q9D "NVMFD5C478NT1G" "SO8FL-Dual (DFN8 5x6, 1.26P Dual Flag)" 3281.24,1793.72 r180 top (schematic designator Q9)
Q9E "NVMFD5C478NT1G" "SO8FL-Dual (DFN8 5x6, 1.26P Dual Flag)" 4096.51,1790.74 r180 top (schematic designator Q9)
Q9F "NVMFD5C478NT1G" "SO8FL-Dual (DFN8 5x6, 1.26P Dual Flag)" 4917.07,1793.72 r180 top (schematic designator Q9)
Q9G "NVMFD5C478NT1G" "SO8FL-Dual (DFN8 5x6, 1.26P Dual Flag)" 5730.07,1793.72 r180 top (schematic designator Q9)
Q9H "NVMFD5C478NT1G" "SO8FL-Dual (DFN8 5x6, 1.26P Dual Flag)" 6543.07,1793.72 r180 top (schematic designator Q9)
Q10A "NVMFD5C478NT1G" "SO8FL-Dual (DFN8 5x6, 1.26P Dual Flag)" 455.02,1514.19 r180 top (schematic designator Q10)
Q10B "NVMFD5C478NT1G" "SO8FL-Dual (DFN8 5x6, 1.26P Dual Flag)" 1272.93,1514.19 r180 top (schematic designator Q10)
Q10C "NVMFD5C478NT1G" "SO8FL-Dual (DFN8 5x6, 1.26P Dual Flag)" 2088.2,1515.15 r180 top (schematic designator Q10)
Q10D "NVMFD5C478NT1G" "SO8FL-Dual (DFN8 5x6, 1.26P Dual Flag)" 2908.76,1514.19 r180 top (schematic designator Q10)
Q10E "NVMFD5C478NT1G" "SO8FL-Dual (DFN8 5x6, 1.26P Dual Flag)" 3724.03,1511.21 r180 top (schematic designator Q10)
Q10F "NVMFD5C478NT1G" "SO8FL-Dual (DFN8 5x6, 1.26P Dual Flag)" 4544.58,1514.19 r180 top (schematic designator Q10)
Q10G "NVMFD5C478NT1G" "SO8FL-Dual (DFN8 5x6, 1.26P Dual Flag)" 5357.58,1514.19 r180 top (schematic designator Q10)
Q10H "NVMFD5C478NT1G" "SO8FL-Dual (DFN8 5x6, 1.26P Dual Flag)" 6170.58,1514.19 r180 top (schematic designator Q10)
Q11A "NVMFD5C478NT1G" "SO8FL-Dual (DFN8 5x6, 1.26P Dual Flag)" 455.02,1793.72 r180 top (schematic designator Q11)
Q11B "NVMFD5C478NT1G" "SO8FL-Dual (DFN8 5x6, 1.26P Dual Flag)" 1272.93,1793.72 r180 top (schematic designator Q11)
Q11C "NVMFD5C478NT1G" "SO8FL-Dual (DFN8 5x6, 1.26P Dual Flag)" 2088.2,1794.68 r180 top (schematic designator Q11)